# KiCad board travis_erg2024-new4-hatch.kicad_pcb (continued)
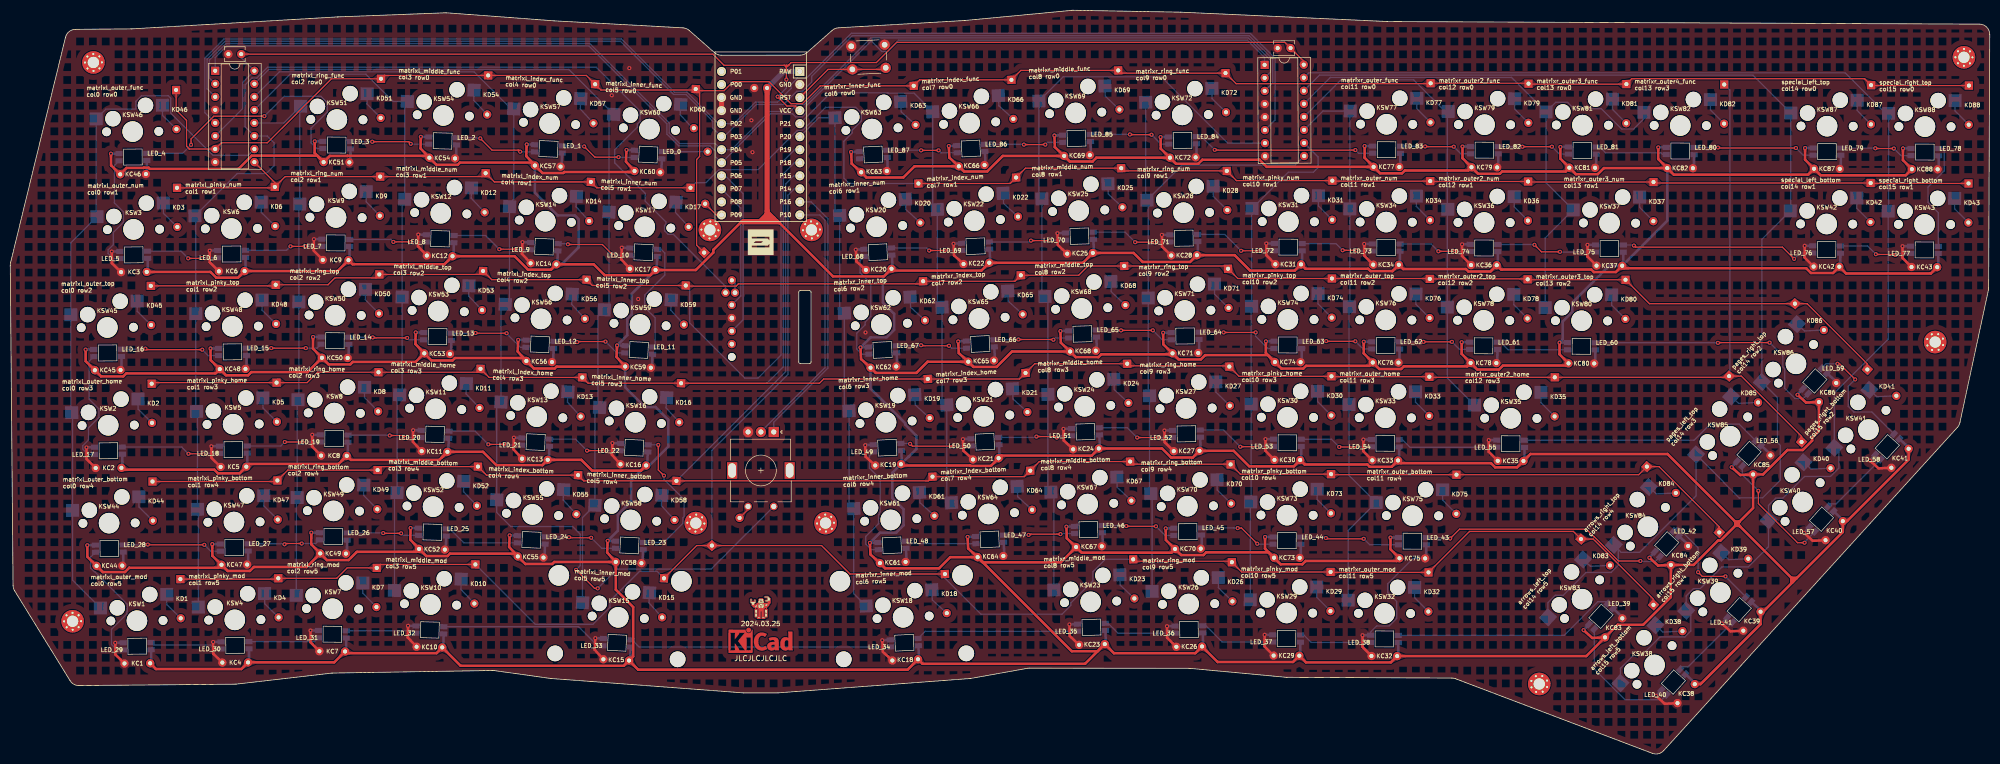
[diagram p0: board, top side]
## Routing (per net, layer and track width the routed paths; a pad name or vN(x,y) marks a point on that pad's centre or on a via; arc(x,y) is an arc through that point) (continued)
  Top w1: 147.31,105 146.17,103.86 ; 147.31,105 C1.1 ; 147.31,105 147.87,104.43 147.87,103.86 ; 147.31,105 147.24,104.94 147.24,103.86
  Bottom w0.5: KLED55.1 97.2,42.53 v1(97.19,42.52) ; KC10.1 84.28,20.9 KLED10.1 ; KLED48.1 38.98,78.92 v1(38.98,78.91) ; KLED35.1 294.72,57.2 KC35.1 ; v1(182.67,118.33) 182.68,118.34 KLED66.1 ; KLED19.1 173.54,56.59 KC19.1 ; KC27.1 231.66,59.19 KLED27.1 ; KC15.1 120.64,18.34 KLED15.1 ; KC33.1 270.3,57.31 KLED33.1 ; KC31.1 251.42,95.49 KLED31.1 ; KLED80.1 301.54,80.06 v1(301.54,80.05) 302.14,80.66 302.14,84.15 304.02,86.03 304.02,87.84 311.2,95.02 KC37.1 ; v1(224.39,81.97) 224.4,81.98 KLED71.1 ; KLED32.1 270.14,19.21 KC32.1 ; KLED87.1 349.33,117.95 v1(349.33,117.95) ; KC39.1 340.65,27.94 KLED39.1 ; KC21.1 192.55,57.75 KLED21.1 ; KLED86.1 347.85,69.9 v1(347.85,69.89) ; KLED75.1 268.64,42.1 v1(268.63,42.1) ; KLED3.1 26.76,94.02 KC3.1 ; KC11.1 85.28,58.98 KLED11.1 ; KC23.1 213.22,21.56 KLED23.1 ; KLED28.1 231.16,97.28 KC28.1 ; KC5.1 46.14,56.09 KLED5.1 ; KLED47.1 39.32,40.82 v1(39.31,40.81) ; KLED25.1 210.9,97.72 KC25.1 ; KC43.1 375.24,94.95 KLED43.1 ; v1(15,40.6) 15,40.6 KLED44.1 ; KLED63.1 163.66,117.17 v1(163.65,117.17) ; v1(79.91,120.13) 79.92,120.13 KLED54.1 ; KLED38.1 327.84,13.84 KC38.1 ; KC24.1 212.06,59.64 KLED24.1 ; KC16.1 124.4,56.13 128.09,59.82 128.09,65.03 125.62,67.49 123.53,67.49 119.68,71.35 KC59.1 ; KC16.1 120.83,53.2 120.83,49.13 118.25,46.55 118.25,43.43 v1(116.28,41.46) 116.29,41.46 117.84,41.39 ; KC16.1 123.97,56.32 KLED16.1 ; 21.16,116.86 19.6,116.85 v1(19.59,116.84) ; KLED67.1 205.57,44.22 v1(205.56,44.22) ; KLED72.1 223.9,120.08 v1(223.89,120.07) ; v1(203.23,120.38) 203.24,120.39 KLED69.1 ; KLED68.1 204.4,82.31 v1(204.4,82.3) ; KC41.1 369.47,59.67 367.66,61.31 ; KLED45.1 14.67,78.7 v1(14.66,78.7) ; KC22.1 190.73,95.81 KLED22.1 ; KLED12.1 86.28,97.07 KC12.1 ; v1(282.65,118.24) 282.66,118.24 KLED79.1 ; KC36.1 289.52,95.32 KLED36.1 ; v1(77.92,43.95) 77.92,43.96 KLED52.1 ; KLED29.1 251.09,19.29 KC29.1 ; v1(319.03,38.17) 319.03,38.18 KLED84.1 ; KLED76.1 263.44,80.23 v1(263.44,80.22) ; KLED64.1 186.33,42.23 v1(186.33,42.22) ; KLED9.1 66.03,96.3 KC9.1 ; KC19.1 174.78,57.81 174.85,57.81 176.36,59.32 176.36,61.92 174.18,64.1 174.18,64.35 167.44,71.09 KC62.1 ; KC19.1 171.66,54.69 171.66,49.8 173.86,47.6 173.86,44.49 172.4,43.03 169.28,43.03 v1(167.31,41.05) 167.32,41.06 KLED61.1 ; KLED8.1 65.7,58.21 KC8.1 ; KLED1.1 27.43,17.82 KC1.1 ; KLED53.1 78.92,82.05 v1(78.91,82.04) ; KC26.1 232.15,21.09 KLED26.1 ; KLED17.1 125.8,94.38 KC17.1 120.98,89.58 120.98,85.55 120.08,84.65 120.08,81.48 v1(118.11,79.51) 118.11,79.52 KLED59.1 ; KLED78.1 282.49,80.14 v1(282.49,80.14) ; v1(59.26,119.25) 59.27,119.25 KLED51.1 ; v1(335.04,55.79) 335.04,55.8 KLED85.1 ; KLED82.1 320.76,118.08 v1(320.75,118.07) ; v1(184.5,80.27) 184.5,80.28 186.06,80.36 ; v1(244.22,42.2) 244.23,42.21 KLED73.1 ; KC42.1 356.19,95.03 KLED42.1 ; v1(301.7,118.15) 301.71,118.16 KLED81.1 ; KLED30.1 251.25,57.39 KC30.1 ; KLED4.1 46.47,17.99 KC4.1 ; KLED34.1 270.47,95.41 KC34.1 ; KC82.1 322.5,103.79 KC37.1 ; v1(119.94,117.57) 119.94,117.57 KLED60.1 ; KLED20.1 171.71,94.64 KC20.1 169.83,92.75 169.83,87.85 172.03,85.65 172.03,82.54 170.55,81.07 167.44,81.07 v1(165.48,79.11) 165.49,79.12 KLED62.1 ; KC13.1 104.82,57.42 KLED13.1 ; KLED83.1 306.22,24.08 v1(306.22,24.07) ; KC37.1 313.93,95.22 KLED37.1 ; 226.46,43.91 224.9,43.89 v1(224.89,43.88) ; 354.85,47.2 356.66,45.56 KC40.1 ; v1(58.6,43.05) 58.61,43.06 KLED49.1 ; KLED57.1 100.52,118.66 v1(100.52,118.65) ; KLED77.1 263.61,118.33 v1(263.6,118.32) ; KLED2.1 21.83,55.87 KC2.1 ; KLED74.1 244.39,80.31 v1(244.39,80.3) ; v1(368.38,117.86) 368.38,117.87 KLED88.1 ; KC57.1 102.11,109.25 106.53,104.82 109.88,104.82 110.62,104.08 110.62,98.59 107.32,95.29 KC14.1 106.48,95.48 KLED14.1 ; KC7.1 65.37,20.11 KLED7.1 ; KLED56.1 98.86,80.59 v1(98.85,80.58) ; KLED50.1 58.94,81.16 v1(58.93,81.15) ; KC6.1 45.81,94.19 KLED6.1 ; KLED18.1 176.86,18.6 KC18.1
  Bottom w1: MCU1.1 150.53,132.85 C1.1
row0: length 406.5
  Top w0.25: 133.3,129.23 114.97,129.23 KD57.1 112.12,132.08 KD54.1 72.82,132.08 KD51.1 62.51,131.43 50.04,118.96 41.11,118.96 DIP1.7 34.83,117.74 34.83,117.78 34.31,118.3 34.31,123.32 32.28,125.35 KD46.1 ; KD88.1 362.26,130.1 KD87.1 360.92,131.43 315.59,131.43 KD81.1 295.58,130.39 KD79.1 295.42,130.56 KD77.1 276.36,130.47 238.58,130.47 KD72.1 216.17,132.53 KD69.1 196.69,133.06 KD66.1 177,131.22 KD63.1 157.66,130.06 154.17,126.57 151.96,126.57 147.68,130.85 140.68,130.85 138.93,129.11 133.73,129.11 KD60.1 134.17,128.66 134.17,116.3 133.58,115.71 133.58,99.05 D1.1
row1: length 385.8
  Top w0.25: KD3.1 51.33,110.19 KD6.1 ; 318.95,111.32 295.52,111.32 KD36.1 276.45,111.42 KD34.1 257.4,111.51 KD31.1 238.66,111.59 KD28.1 216.76,113.48 KD25.1 197.59,114.02 KD22.1 194.61,111.03 KD20.1 ; 318.95,111.32 319.14,111.13 KD42.1 362.17,111.05 KD43.1 ; 318.95,111.32 KD37.1 ; KD6.1 51.49,111.21 DIP1.9 ; KD6.1 53.51,112.38 KD9.1 91.86,112.38 KD12.1 94.22,111.34 KD14.1 114.14,110.2 KD17.1
  Bottom w0.25: KD20.1 163.3,111.03 162.24,112.09 162.24,119.26 163.86,120.88 163.86,121.42 165.66,123.21 165.66,124.77 164.56,125.86 158.69,125.86 154.17,121.35 153.18,121.35 145.56,113.73 137.94,113.73 137.24,113.03 137.24,113.01 135.41,111.19 133.38,111.19 KD17.1
row2: length 420.9
  Top w0.25: KD41.1 361.45,75.9 349.72,87.63 KD86.1 319.04,87.63 KD80.1 295.41,92.29 KD78.1 295.25,92.46 KD76.1 276.2,92.54 KD74.1 238.91,92.54 KD71.1 236.48,94.98 KD68.1 209.75,94.98 207.94,93.17 KD65.1 195.52,92 KD62.1 177.15,91.48 141.7,91.48 141.28,91.06 131.59,91.06 KD59.1 113.3,91.18 KD56.1 93.71,92.31 KD53.1 91.36,93.33 KD50.1 71.15,92.65 63.18,92.65 61.85,91.31 KD48.1 51.45,91.1 KD45.1
  Bottom w0.25: KD59.1 132.23,90.42 132.23,83.88 142.97,73.14 145.52,73.14 150.01,77.63 150.01,114.96 152.65,117.61 MCU1.7
row3: length 453.5
  Top w0.25: KD40.1 348.64,61.8 336.91,73.53 KD85.1 334.31,73.3 KD35.1 276.31,73.3 KD33.1 257.23,73.41 KD30.1 239.16,73.49 KD27.1 237.13,75.53 217.79,75.53 KD24.1 199.39,75.93 KD21.1 196.44,72.97 KD19.1 158.32,72.97 157.49,72.15 KD16.1 112.47,72.15 KD13.1 93.2,73.28 KD11.1 90.85,74.28 KD8.1 59.79,74.28 57.77,72.26 KD5.1 27.73,72.26 KD2.1
  Bottom w0.25: 348.64,61.8 KD40.1 ; MCU1.8 152.6,115.07 150.46,112.92 150.46,75.33 147.27,72.15 KD16.1 ; KD82.1 334.69,129.21 334.69,73.68 KD85.1
row4: length 386.6
  Top w0.25: KD39.1 332.63,44.17 320.9,55.9 KD84.1 316.96,54.33 KD75.1 257.17,54.33 KD73.1 239.42,54.44 KD70.1 237.48,56.38 218.49,56.38 KD67.1 200.3,56.89 KD64.1 197.35,53.95 KD61.1 178.67,53.12 KD58.1 111.63,53.12 KD55.1 92.69,54.24 KD52.1 72.17,55.91 KD49.1 54.01,55.23 KD47.1 51.78,53 KD44.1
  Bottom w0.25: MCU1.9 152.5,112.53 150.91,110.94 150.91,74.38 KD58.1
row5: length 400.8
  Top w0.25: KD23.1 218.92,37.48 237.58,37.48 KD26.1 239.67,35.39 KD29.1 257.07,35.31 KD32.1 284,43.28 304.24,43.28 KD83.1 308.09,41.8 319.82,30.07 KD38.1 ; KD15.1 133.6,40.53 D2.1 157.9,40.53 163.44,34.99 KD18.1 ; KD1.1 51.99,34 KD4.1 63.54,34.16 65.56,36.18 KD7.1 72.01,36.86 KD10.1
  Bottom w0.25: KD10.1 102.2,25.19 113.38,25.19 116.72,28.53 116.72,29.76 122.46,35.51 125.89,35.51 KD15.1 ; KD23.1 213.14,37.85 210.7,35.42 210.7,33.65 206.43,29.38 206.43,28.89 204.7,27.17 188.93,27.17 181.91,34.19 KD18.1 ; D2.1 136.56,59.07 151.36,73.87 151.36,108.74 152.6,109.99 MCU1.10
RST: length 19.1
  Top w0.25: SW1.2 170.08,133.25 SW1.2 159.16,133.25 MCU1.3
scr_to: length 2.7
  Bottom w0.25: D1.2 141.06,91.57 REF**.S2
scrA: length 24.9
  Bottom w0.25: REF**.A 142.18,89.13 142.18,106.24 MCU1.22
scrC: length 33.3
  Bottom w0.25: MCU1.21 139.15,112.53 142.63,109.05 142.63,84.5 REF**.C
special_left_bottom: length 5.8
  Bottom w0.25: KSW42.2 359.38,106.21 KD42.2
special_left_top: length 5.8
  Bottom w0.25: KSW87.2 359.47,125.26 KD87.2
special_right_bottom: length 5.8
  Bottom w0.25: KSW43.2 378.43,106.12 KD43.2
special_right_top: length 5.8
  Bottom w0.25: KD88.2 378.52,125.17 KSW88.2

## Copper pours and planes (outline as drawn; the poured copper is in the pictures)
GND on Top: 399.56,166.02 403.16,31.25 324.27,-19.71 3.32,7.32 -16.09,45.22 -16.09,128.58 21.35,160.58
GND on Bottom: -5.15,154.27 -6.27,1.72 379.61,-15.1 411,156.5

Small or netless copper shapes (teardrops, artwork), in the pictures only: 599 on Top, 942 on Bottom

## Text on the board
B.Silkscreen: matrixl_inner_mod / col5 row5 | matrixl_inner_bottom / col5 row4 | matrixl_inner_home / col5 row3 | matrixl_inner_top / col5 row2 | matrixl_inner_num / col5 row1 | matrixl_inner_func / col5 row0 | matrixl_index_bottom / col4 row4 | matrixl_index_home / col4 row3 | matrixl_index_top / col4 row2 | matrixl_index_num / col4 row1 | matrixl_index_func / col4 row0 | matrixl_middle_mod / col3 row5 | matrixl_middle_bottom / col3 row4 | matrixl_middle_home / col3 row3 | matrixl_middle_top / col3 row2 | matrixl_middle_num / col3 row1 | matrixl_middle_func / col3 row0 | matrixl_ring_mod / col2 row5 | matrixl_ring_bottom / col2 row4 | matrixl_ring_home / col2 row3 | matrixl_ring_top / col2 row2 | matrixl_ring_num / col2 row1 | matrixl_ring_func / col2 row0 | matrixr_pinky_mod / col10 row5 | matrixr_pinky_bottom / col10 row4 | matrixr_pinky_home / col10 row3 | matrixr_pinky_top / col10 row2 | matrixr_pinky_num / col10 row1 | matrixr_outer_mod / col11 row5 | matrixr_outer_home / col11 row3 | matrixr_outer_top / col11 row2 | matrixr_outer_num / col11 row1 | matrixr_outer_func / col11 row0 | matrixr_outer_bottom / col11 row4 | matrixr_outer2_top / col12 row2 | matrixr_outer2_num / col12 row1 | matrixr_outer2_func / col12 row0 | matrixr_outer2_home / col12 row3 | matrixr_outer3_top / col13 row2 | matrixr_outer3_func / col13 row0 | matrixr_outer3_num / col13 row1 | matrixr_outer4_func / col13 row3 | special_left_bottom / col14 row1 | special_left_top / col14 row0 | special_right_bottom / col15 row1 | special_right_top / col15 row0 | matrixl_outer_top / col0 row2 | matrixl_outer_home / col0 row3 | matrixl_outer_bottom / col0 row4 | matrixl_outer_func / col0 row0 | matrixl_outer_num / col0 row1 | matrixl_outer_mod / col0 row5 | matrixl_pinky_num / col1 row1 | matrixl_pinky_top / col1 row2 | matrixl_pinky_home / col1 row3 | matrixl_pinky_bottom / col1 row4 | matrixl_pinky_mod / col1 row5 | matrixr_ring_func / col9 row0 | matrixr_ring_num / col9 row1 | matrixr_ring_top / col9 row2 | matrixr_ring_home / col9 row3 | matrixr_ring_bottom / col9 row4 | matrixr_ring_mod / col9 row5 | matrixr_middle_func / col8 row0 | matrixr_middle_num / col8 row1 | matrixr_middle_top / col8 row2 | matrixr_middle_home / col8 row3 | matrixr_middle_bottom / col8 row4 | matrixr_middle_mod / col8 row5 | matrixr_inner_func / col6 row0 | matrixr_inner_num / col6 row1 | matrixr_inner_top / col6 row2 | matrixr_inner_home / col6 row3 | matrixr_inner_bottom / col6 row4 | matrixr_inner_mod / col6 row5 | matrixr_index_func / col7 row0 | matrixr_index_num / col7 row1 | matrixr_index_top / col7 row2 | matrixr_index_home / col7 row3 | matrixr_index_bottom / col7 row4 | arrows_left_top / col14 row5 | arrows_right_top / col14 row4 | arrows_left_bottom / col15 row5 | arrows_right_bottom / col15 row4 | pages_left_top / col14 row3 | pages_right_top / col14 row2 | pages_right_bottom / col15 row2 | JLCJLCJLCJLC
F.Silkscreen: matrixl_inner_mod / col5 row5 | matrixl_inner_bottom / col5 row4 | matrixl_inner_home / col5 row3 | matrixl_inner_top / col5 row2 | matrixl_inner_num / col5 row1 | matrixl_inner_func / col5 row0 | matrixl_index_bottom / col4 row4 | matrixl_index_home / col4 row3 | matrixl_index_top / col4 row2 | matrixl_index_num / col4 row1 | matrixl_index_func / col4 row0 | matrixl_middle_mod / col3 row5 | matrixl_middle_bottom / col3 row4 | matrixl_middle_home / col3 row3 | matrixl_middle_top / col3 row2 | matrixl_middle_num / col3 row1 | matrixl_middle_func / col3 row0 | matrixl_ring_mod / col2 row5 | matrixl_ring_bottom / col2 row4 | matrixl_ring_home / col2 row3 | matrixl_ring_top / col2 row2 | matrixl_ring_num / col2 row1 | matrixl_ring_func / col2 row0 | matrixr_pinky_mod / col10 row5 | matrixr_pinky_bottom / col10 row4 | matrixr_pinky_home / col10 row3 | matrixr_pinky_top / col10 row2 | matrixr_pinky_num / col10 row1 | matrixr_outer_mod / col11 row5 | matrixr_outer_home / col11 row3 | matrixr_outer_top / col11 row2 | matrixr_outer_num / col11 row1 | matrixr_outer_func / col11 row0 | matrixr_outer_bottom / col11 row4 | matrixr_outer2_top / col12 row2 | matrixr_outer2_num / col12 row1 | matrixr_outer2_func / col12 row0 | matrixr_outer2_home / col12 row3 | matrixr_outer3_top / col13 row2 | matrixr_outer3_func / col13 row0 | matrixr_outer3_num / col13 row1 | matrixr_outer4_func / col13 row3 | special_left_bottom / col14 row1 | special_left_top / col14 row0 | special_right_bottom / col15 row1 | special_right_top / col15 row0 | LED_16 | LED_28 | KD45 | KD2 | LED_4 | KD44 | KD46 | KD3 | KD1 | LED_15 | LED_27 | KD6 | KD48 | KD5 | KD47 | KD4 | LED_26 | LED_14 | LED_3 | KD7 | KD49 | KD8 | KD50 | KD9 | KD51 | LED_25 | LED_13 | LED_2 | KD10 | KD52 | KD11 | KD53 | KD12 | KD54 | LED_24 | LED_12 | LED_1 | KD55 | KD13 | KD56 | KD14 | KD57 | LED_23 | LED_11 | KD15 | LED_0 | KD58 | KD16 | KD59 | KD17 | KD60 | LED_87 | LED_67 | LED_48 | KD63 | KD20 | KD62 | KD19 | KD61 | KD18 | LED_86 | LED_66 | LED_47 | KD66 | KD22 | KD65 | KD21 | KD64 | LED_85 | LED_65 | LED_46 | KD69 | KD25 | KD68 | KD24 | KD67 | KD23 | LED_84 | LED_64 | LED_45 | KD72 | KD28 | KD71 | KD27 | KD70 | KD26 | LED_44 | LED_63 | KD29 | KD73 | KD30 | KD74 | KD31 | LED_62 | LED_83 | KD32 | KD33 | KD76 | KD34 | KD77 | LED_43 | KD75 | LED_61 | LED_82 | KD78 | KD36 | KD79 | KD35 | KD83 | LED_60 | LED_81 | LED_39 | KD80 | KD81 | KD37 | KD84 | KD38 | LED_42 | LED_80 | KD82 | KD39 | KD85 | LED_56 | KD86 | KD40 | LED_59 | LED_79 | KD42 | KD87 | KD41 | LED_78 | KD43 | KD88 | KC45 | KC2 | KC44 | KC46 | KC3 | KC1 | KC6 | KC48 | KC5 | KC47 | KC4 | KC7 | KC49 | KC8 | KC50 | KC9 | KC51 | KC10 | KC52 | KC11 | KC53 | KC12 | KC54 | KC55 | KC13 | KC56 | KC14 | KC57 | KC15 | KC58 | KC16 | KC59 | KC17 | KC60 | KC63 | KC20 | KC62 | KC19 | KC61 | KC18 | KC66 | KC22 | KC65 | KC21 | KC64 | KC69 | KC25 | KC68 | KC24 | KC67 | KC23 | KC72 | KC28 | KC71 | KC27 | KC70 | KC26 | KC29 | KC73 | KC30 | KC74 | KC31 | KC32 | KC33 | KC76 | KC34 | KC77 | KC75 | KC78 | KC36 | KC79 | KC35 | KC80 | KC81 | KC37 | KC83 | KC84 | KC82 | KC38 | KC39 | KC85 | KC42 | KC87 | KC86 | KC40 | KC41 | KC43 | KC88 | LED_17 | LED_5 | LED_29 | LED_6 | LED_18 | LED_30 | LED_31 | LED_19 | LED_7 | LED_32 | LED_20 | LED_8 | LED_21 | LED_9 | LED_33 | LED_22 | LED_10 | LED_68 | LED_49 | LED_34 | LED_69 | LED_50 | LED_70 | LED_51 | LED_35 | LED_71 | LED_52 | LED_36 | LED_37 | LED_53 | LED_72 | LED_38 | LED_54 | LED_73 | LED_74 | LED_55 | LED_75 | LED_40 | LED_41 | LED_76 | LED_57 | LED_58 | LED_77 | matrixl_outer_top / col0 row2 | matrixl_outer_home / col0 row3 | matrixl_outer_bottom / col0 row4 | matrixl_outer_func / col0 row0 | matrixl_outer_num / col0 row1 | matrixl_outer_mod / col0 row5 | matrixl_pinky_num / col1 row1 | matrixl_pinky_top / col1 row2 | matrixl_pinky_home / col1 row3 | matrixl_pinky_bottom / col1 row4 | matrixl_pinky_mod / col1 row5 | matrixr_ring_func / col9 row0 | matrixr_ring_num / col9 row1 | matrixr_ring_top / col9 row2 | matrixr_ring_home / col9 row3 | matrixr_ring_bottom / col9 row4 | matrixr_ring_mod / col9 row5 | matrixr_middle_func / col8 row0 | matrixr_middle_num / col8 row1 | matrixr_middle_top / col8 row2 | matrixr_middle_home / col8 row3 | matrixr_middle_bottom / col8 row4 | matrixr_middle_mod / col8 row5 | matrixr_inner_func / col6 row0 | matrixr_inner_num / col6 row1 | matrixr_inner_top / col6 row2 | matrixr_inner_home / col6 row3 | matrixr_inner_bottom / col6 row4 | matrixr_inner_mod / col6 row5 | matrixr_index_func / col7 row0 | matrixr_index_num / col7 row1 | matrixr_index_top / col7 row2 | matrixr_index_home / col7 row3 | matrixr_index_bottom / col7 row4 | arrows_left_top / col14 row5 | arrows_right_top / col14 row4 | arrows_left_bottom / col15 row5 | arrows_right_bottom / col15 row4 | pages_left_top / col14 row3 | pages_right_top / col14 row2 | pages_right_bottom / col15 row2 | 2024.03.25 | JLCJLCJLCJLC
